# KiCad board demomatrix.kicad_pcb (continued)
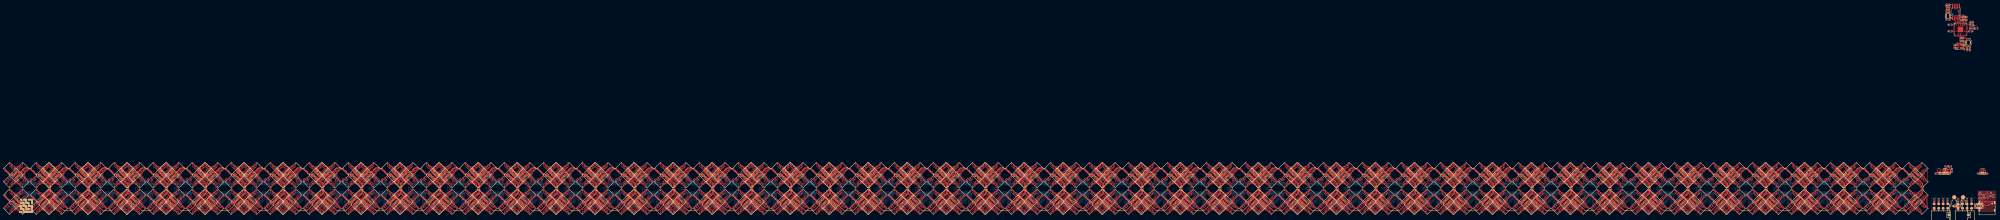
[diagram p0: board, top side]
## Routing (per net, layer and track width the routed paths; a pad name or vN(x,y) marks a point on that pad's centre or on a via; arc(x,y) is an arc through that point) (continued)
rgbs[1]-anodes-anode-767: length 1.7
  Top w0.2: LED142.8 -29.96,9.72 -31.42,9.72 LED141.7
rgbs[1]-anodes-anode-768: length 9.3
  Top w0.2: LED145.3 -26.33,26.2 -26.33,25.22 -24.84,23.74 -24.59,23.74 -24.01,24.32 -23.37,24.32 -22.79,23.74 -22.54,23.74 -21.06,25.22 -21.06,26.21 LED146.4
rgbs[1]-anodes-anode-769: length 12.6
  Top w0.2: LED146.2 -20.21,27.06 -20.21,25.49 -22.37,23.34 -22.95,23.34 -23.53,23.92 -23.84,23.92 -24.43,23.34 -25.01,23.34 -27.17,25.5 -27.17,27.06 LED145.1
rgbs[1]-anodes-anode-770: length 4
  Top w0.2: LED146.6 -22.1,25.56 -23.12,25.56 -23.56,25.12 -23.82,25.12 -24.27,25.57 -25.47,25.57 LED145.5
rgbs[1]-anodes-anode-771: length 1.7
  Top w0.2: LED146.8 -22.96,24.72 -24.42,24.72 LED145.7
rgbs[1]-anodes-anode-772: length 9.3
  Top w0.2: LED149.3 -11.33,26.2 -11.33,25.22 -9.84,23.74 -9.59,23.74 -9.01,24.32 -8.37,24.32 -7.79,23.74 -7.54,23.74 -6.06,25.22 -6.06,26.21 LED150.4
rgbs[1]-anodes-anode-773: length 12.6
  Top w0.2: LED149.1 -12.17,27.06 -12.17,25.5 -10.01,23.34 -9.43,23.34 -8.84,23.92 -8.53,23.92 -7.95,23.34 -7.37,23.34 -5.21,25.49 -5.21,27.06 LED150.2
rgbs[1]-anodes-anode-774: length 4
  Top w0.2: LED150.6 -7.1,25.56 -8.12,25.56 -8.56,25.12 -8.82,25.12 -9.27,25.57 -10.47,25.57 LED149.5
rgbs[1]-anodes-anode-775: length 1.7
  Top w0.2: LED149.7 -9.42,24.72 -7.96,24.72 LED150.8
rgbs[1]-anodes-anode-776: length 9.3
  Top w0.2: LED153.3 -26.33,11.2 -26.33,10.22 -24.84,8.74 -24.59,8.74 -24.01,9.32 -23.37,9.32 -22.79,8.74 -22.54,8.74 -21.06,10.22 -21.06,11.21 LED154.4
rgbs[1]-anodes-anode-777: length 12.6
  Top w0.2: LED154.2 -20.21,12.06 -20.21,10.49 -22.37,8.34 -22.95,8.34 -23.53,8.92 -23.84,8.92 -24.43,8.34 -25.01,8.34 -27.17,10.5 -27.17,12.06 LED153.1
rgbs[1]-anodes-anode-778: length 4
  Top w0.2: LED153.5 -25.47,10.57 -24.27,10.57 -23.82,10.12 -23.56,10.12 -23.12,10.56 -22.1,10.56 LED154.6
rgbs[1]-anodes-anode-779: length 1.7
  Top w0.2: LED154.8 -22.96,9.72 -24.42,9.72 LED153.7
rgbs[1]-anodes-anode-780: length 9.3
  Top w0.2: LED158.4 -6.06,11.21 -6.06,10.22 -7.54,8.74 -7.79,8.74 -8.37,9.32 -9.01,9.32 -9.59,8.74 -9.84,8.74 -11.33,10.22 -11.33,11.2 LED157.3
rgbs[1]-anodes-anode-781: length 12.6
  Top w0.2: LED158.2 -5.21,12.06 -5.21,10.49 -7.37,8.34 -7.95,8.34 -8.53,8.92 -8.84,8.92 -9.43,8.34 -10.01,8.34 -12.17,10.5 -12.17,12.06 LED157.1
rgbs[1]-anodes-anode-782: length 4
  Top w0.2: LED157.5 -10.47,10.57 -9.27,10.57 -8.82,10.12 -8.56,10.12 -8.12,10.56 -7.1,10.56 LED158.6
rgbs[1]-anodes-anode-783: length 1.7
  Top w0.2: LED158.8 -7.96,9.72 -9.42,9.72 LED157.7
rgbs[2]-anodes-anode-0: length 9.5
  Top w0.2: LED2.3 -1074.07,23.22 -1074.42,23.22 -1074.43,23.22 -1075.07,23.22 -1076.55,21.75 -1076.55,21.5 -1075.87,20.82 -1075.87,20.36 -1076.55,19.69 -1076.55,19.44 -1074.88,17.77 -1074.26,17.77 LED3.4
rgbs[2]-anodes-anode-1: length 12.3
  Top w0.2: LED2.1 -1073.23,24.08 -1074.78,24.08 -1076.95,21.91 -1076.95,21.33 -1076.27,20.66 -1076.27,20.53 -1076.95,19.86 -1076.95,19.28 -1074.79,17.12 -1073.51,17.12
rgbs[2]-anodes-anode-2: length 3.7
  Top w0.2: LED3.6 -1074.72,19.02 -1074.72,20.02 -1075.07,20.37 -1075.07,20.81 -1074.72,21.16 -1074.72,22.18 LED2.5
rgbs[2]-anodes-anode-3: length 1.8
  Top w0.2: LED2.7 -1075.47,21.23 -1075.47,19.96 LED3.8
rgbs[2]-anodes-anode-4: length 9.5
  Top w0.2: LED6.3 -1059.07,23.22 -1059.42,23.22 -1059.43,23.22 -1060.07,23.22 -1061.55,21.75 -1061.55,21.5 -1060.87,20.82 -1060.87,20.36 -1061.55,19.69 -1061.55,19.44 -1059.88,17.77 -1059.26,17.77 LED7.4
rgbs[2]-anodes-anode-5: length 19.4
  Top w0.2: -1058.51,17.12 -1059.79,17.12 -1061.95,19.28 -1061.95,19.86 -1061.27,20.53 -1061.27,20.66 -1061.95,21.33 -1061.95,21.91 -1059.78,24.08 -1058.23,24.08 LED6.1 -1057.73,23.58 -1057.73,17.61 LED7.2
rgbs[2]-anodes-anode-6: length 3.7
  Top w0.2: LED6.5 -1059.72,22.18 -1059.72,21.16 -1060.07,20.81 -1060.07,20.37 -1059.72,20.02 -1059.72,19.02 LED7.6
rgbs[2]-anodes-anode-7: length 1.8
  Top w0.2: LED7.8 -1060.47,19.96 -1060.47,21.23 LED6.7
rgbs[2]-anodes-anode-8: length 9.5
  Top w0.2: LED11.4 -1074.26,2.77 -1074.88,2.77 -1076.55,4.44 -1076.55,4.69 -1075.87,5.36 -1075.87,5.82 -1076.55,6.5 -1076.55,6.75 -1075.07,8.22 -1074.43,8.22 -1074.42,8.22 -1074.07,8.22 LED10.3
rgbs[2]-anodes-anode-9: length 12.3
  Top w0.2: -1073.51,2.12 -1074.79,2.12 -1076.95,4.28 -1076.95,4.86 -1076.27,5.53 -1076.27,5.66 -1076.95,6.33 -1076.95,6.91 -1074.78,9.08 -1073.23,9.08 LED10.1
rgbs[2]-anodes-anode-10: length 3.7
  Top w0.2: LED11.6 -1074.72,4.02 -1074.72,5.02 -1075.07,5.37 -1075.07,5.81 -1074.72,6.16 -1074.72,7.18 LED10.5
rgbs[2]-anodes-anode-11: length 1.8
  Top w0.2: LED10.7 -1075.47,6.23 -1075.47,4.96 LED11.8
rgbs[2]-anodes-anode-12: length 14.9
  Top w0.2: -1061.55,4.69 -1060.87,5.36 -1060.87,5.82 -1061.55,6.5 -1061.55,6.75 -1060.07,8.22 -1059.43,8.22 -1059.42,8.22 -1059.07,8.22 LED14.3 -1058.58,7.73 -1058.58,3.46 LED15.4 -1059.26,2.77 -1059.88,2.77 -1061.55,4.44 -1061.55,4.69
rgbs[2]-anodes-anode-13: length 19.4
  Top w0.2: LED15.2 -1057.73,2.61 -1057.73,8.58 LED14.1 -1058.23,9.08 -1059.78,9.08 -1061.95,6.91 -1061.95,6.33 -1061.27,5.66 -1061.27,5.53 -1061.95,4.86 -1061.95,4.28 -1059.79,2.12 -1058.51,2.12
rgbs[2]-anodes-anode-14: length 3.7
  Top w0.2: LED14.5 -1059.72,7.18 -1059.72,6.16 -1060.07,5.81 -1060.07,5.37 -1059.72,5.02 -1059.72,4.02 LED15.6
rgbs[2]-anodes-anode-15: length 1.8
  Top w0.2: LED15.8 -1060.47,4.96 -1060.47,6.23 LED14.7
rgbs[2]-anodes-anode-16: length 9.5
  Top w0.2: LED162.3 -1052.07,23.22 -1052.42,23.22 -1052.43,23.22 -1053.07,23.22 -1054.55,21.75 -1054.55,21.5 -1053.87,20.82 -1053.87,20.36 -1054.55,19.69 -1054.55,19.44 -1052.88,17.77 -1052.26,17.77 LED163.4
rgbs[2]-anodes-anode-17: length 12.3
  Top w0.2: LED162.1 -1051.23,24.08 -1052.78,24.08 -1054.95,21.91 -1054.95,21.33 -1054.27,20.66 -1054.27,20.53 -1054.95,19.86 -1054.95,19.28 -1052.79,17.12 -1051.51,17.12
rgbs[2]-anodes-anode-18: length 3.7
  Top w0.2: LED162.5 -1052.72,22.18 -1052.72,21.16 -1053.07,20.81 -1053.07,20.37 -1052.72,20.02 -1052.72,19.02 LED163.6
rgbs[2]-anodes-anode-19: length 1.8
  Top w0.2: LED163.8 -1053.47,19.96 -1053.47,21.23 LED162.7
rgbs[2]-anodes-anode-20: length 9.5
  Top w0.2: LED167.4 -1037.26,17.77 -1037.88,17.77 -1039.55,19.44 -1039.55,19.69 -1038.87,20.36 -1038.87,20.82 -1039.55,21.5 -1039.55,21.75 -1038.07,23.22 -1037.43,23.22 -1037.42,23.22 -1037.07,23.22 LED166.3
rgbs[2]-anodes-anode-21: length 19.4
  Top w0.2: LED167.2 -1035.73,17.61 -1035.73,23.58 LED166.1 -1036.23,24.08 -1037.78,24.08 -1039.95,21.91 -1039.95,21.33 -1039.27,20.66 -1039.27,20.53 -1039.95,19.86 -1039.95,19.28 -1037.79,17.12 -1036.51,17.12
rgbs[2]-anodes-anode-22: length 3.7
  Top w0.2: LED166.5 -1037.72,22.18 -1037.72,21.16 -1038.07,20.81 -1038.07,20.37 -1037.72,20.02 -1037.72,19.02 LED167.6
rgbs[2]-anodes-anode-23: length 1.8
  Top w0.2: LED167.8 -1038.47,19.96 -1038.47,21.23 LED166.7
rgbs[2]-anodes-anode-24: length 9.5
  Top w0.2: LED170.3 -1052.07,8.22 -1052.42,8.22 -1052.43,8.22 -1053.07,8.22 -1054.55,6.75 -1054.55,6.5 -1053.87,5.82 -1053.87,5.36 -1054.55,4.69 -1054.55,4.44 -1052.88,2.77 -1052.26,2.77 LED171.4
rgbs[2]-anodes-anode-25: length 12.3
  Top w0.2: LED170.1 -1051.23,9.08 -1052.78,9.08 -1054.95,6.91 -1054.95,6.33 -1054.27,5.66 -1054.27,5.53 -1054.95,4.86 -1054.95,4.28 -1052.79,2.12 -1051.51,2.12
rgbs[2]-anodes-anode-26: length 3.7
  Top w0.2: LED170.5 -1052.72,7.18 -1052.72,6.16 -1053.07,5.81 -1053.07,5.37 -1052.72,5.02 -1052.72,4.02 LED171.6
rgbs[2]-anodes-anode-27: length 1.8
  Top w0.2: LED170.7 -1053.47,6.23 -1053.47,4.96 LED171.8
rgbs[2]-anodes-anode-28: length 14.9
  Top w0.2: -1038.87,5.36 -1038.87,5.82 -1039.55,6.5 -1039.55,6.75 -1038.07,8.22 -1037.43,8.22 -1037.42,8.22 -1037.07,8.22 LED174.3 -1036.58,7.73 -1036.58,3.46 LED175.4 -1037.26,2.77 -1037.88,2.77 -1039.55,4.44 -1039.55,4.69 -1038.87,5.36
rgbs[2]-anodes-anode-29: length 19.4
  Top w0.2: LED175.2 -1035.73,2.61 -1035.73,8.58 LED174.1 -1036.23,9.08 -1037.78,9.08 -1039.95,6.91 -1039.95,6.33 -1039.27,5.66 -1039.27,5.53 -1039.95,4.86 -1039.95,4.28 -1037.79,2.12 -1036.51,2.12
rgbs[2]-anodes-anode-30: length 3.7
  Top w0.2: LED175.6 -1037.72,4.02 -1037.72,5.02 -1038.07,5.37 -1038.07,5.81 -1037.72,6.16 -1037.72,7.18 LED174.5
rgbs[2]-anodes-anode-31: length 1.8
  Top w0.2: LED175.8 -1038.47,4.96 -1038.47,6.23 LED174.7
rgbs[2]-anodes-anode-32: length 9.5
  Top w0.2: LED178.3 -1030.07,23.22 -1030.42,23.22 -1030.43,23.22 -1031.07,23.22 -1032.55,21.75 -1032.55,21.5 -1031.87,20.82 -1031.87,20.36 -1032.55,19.69 -1032.55,19.44 -1030.88,17.77 -1030.26,17.77 LED179.4
rgbs[2]-anodes-anode-33: length 12.3
  Top w0.2: LED178.1 -1029.23,24.08 -1030.78,24.08 -1032.95,21.91 -1032.95,21.33 -1032.27,20.66 -1032.27,20.53 -1032.95,19.86 -1032.95,19.28 -1030.79,17.12 -1029.51,17.12
rgbs[2]-anodes-anode-34: length 3.7
  Top w0.2: LED179.6 -1030.72,19.02 -1030.72,20.02 -1031.07,20.37 -1031.07,20.81 -1030.72,21.16 -1030.72,22.18 LED178.5
rgbs[2]-anodes-anode-35: length 1.8
  Top w0.2: LED178.7 -1031.47,21.23 -1031.47,19.96 LED179.8
rgbs[2]-anodes-anode-36: length 9.5
  Top w0.2: LED182.3 -1015.07,23.22 -1015.42,23.22 -1015.43,23.22 -1016.07,23.22 -1017.55,21.75 -1017.55,21.5 -1016.87,20.82 -1016.87,20.36 -1017.55,19.69 -1017.55,19.44 -1015.88,17.77 -1015.26,17.77 LED183.4
rgbs[2]-anodes-anode-37: length 19.4
  Top w0.2: LED183.2 -1013.73,17.61 -1013.73,23.58 LED182.1 -1014.23,24.08 -1015.78,24.08 -1017.95,21.91 -1017.95,21.33 -1017.27,20.66 -1017.27,20.53 -1017.95,19.86 -1017.95,19.28 -1015.79,17.12 -1014.51,17.12
rgbs[2]-anodes-anode-38: length 3.7
  Top w0.2: LED183.6 -1015.72,19.02 -1015.72,20.02 -1016.07,20.37 -1016.07,20.81 -1015.72,21.16 -1015.72,22.18 LED182.5
rgbs[2]-anodes-anode-39: length 1.8
  Top w0.2: LED183.8 -1016.47,19.96 -1016.47,21.23 LED182.7
rgbs[2]-anodes-anode-40: length 9.5
  Top w0.2: LED186.3 -1030.07,8.22 -1030.42,8.22 -1030.43,8.22 -1031.07,8.22 -1032.55,6.75 -1032.55,6.5 -1031.87,5.82 -1031.87,5.36 -1032.55,4.69 -1032.55,4.44 -1030.88,2.77 -1030.26,2.77 LED187.4
rgbs[2]-anodes-anode-41: length 12.3
  Top w0.2: -1029.51,2.12 -1030.79,2.12 -1032.95,4.28 -1032.95,4.86 -1032.27,5.53 -1032.27,5.66 -1032.95,6.33 -1032.95,6.91 -1030.78,9.08 -1029.23,9.08 LED186.1
rgbs[2]-anodes-anode-42: length 3.7
  Top w0.2: LED186.5 -1030.72,7.18 -1030.72,6.16 -1031.07,5.81 -1031.07,5.37 -1030.72,5.02 -1030.72,4.02 LED187.6
rgbs[2]-anodes-anode-43: length 1.8
  Top w0.2: LED186.7 -1031.47,6.23 -1031.47,4.96 LED187.8
rgbs[2]-anodes-anode-44: length 14.9
  Top w0.2: LED190.3 -1014.58,7.73 -1014.58,3.46 LED191.4 -1015.26,2.77 -1015.88,2.77 -1017.55,4.44 -1017.55,4.69 -1016.87,5.36 -1016.87,5.82 -1017.55,6.5 -1017.55,6.75 -1016.07,8.22 -1015.43,8.22 -1015.42,8.22 -1015.07,8.22 LED190.3
rgbs[2]-anodes-anode-45: length 19.4
  Top w0.2: LED191.2 -1013.73,2.61 -1013.73,8.58 LED190.1 -1014.23,9.08 -1015.78,9.08 -1017.95,6.91 -1017.95,6.33 -1017.27,5.66 -1017.27,5.53 -1017.95,4.86 -1017.95,4.28 -1015.79,2.12 -1014.51,2.12
rgbs[2]-anodes-anode-46: length 3.7
  Top w0.2: LED190.5 -1015.72,7.18 -1015.72,6.16 -1016.07,5.81 -1016.07,5.37 -1015.72,5.02 -1015.72,4.02 LED191.6
rgbs[2]-anodes-anode-47: length 1.8
  Top w0.2: LED191.8 -1016.47,4.96 -1016.47,6.23 LED190.7
rgbs[2]-anodes-anode-48: length 9.5
  Top w0.2: LED195.4 -1008.26,17.77 -1008.88,17.77 -1010.55,19.44 -1010.55,19.69 -1009.87,20.36 -1009.87,20.82 -1010.55,21.5 -1010.55,21.75 -1009.07,23.22 -1008.43,23.22 -1008.42,23.22 -1008.07,23.22 LED194.3
rgbs[2]-anodes-anode-49: length 12.3
  Top w0.2: -1007.51,17.12 -1008.79,17.12 -1010.95,19.28 -1010.95,19.86 -1010.27,20.53 -1010.27,20.66 -1010.95,21.33 -1010.95,21.91 -1008.78,24.08 -1007.23,24.08 LED194.1
rgbs[2]-anodes-anode-50: length 3.7
  Top w0.2: LED195.6 -1008.72,19.02 -1008.72,20.02 -1009.07,20.37 -1009.07,20.81 -1008.72,21.16 -1008.72,22.18 LED194.5
rgbs[2]-anodes-anode-51: length 1.8
  Top w0.2: LED195.8 -1009.47,19.96 -1009.47,21.23 LED194.7
rgbs[2]-anodes-anode-52: length 9.5
  Top w0.2: LED198.3 -993.07,23.22 -993.42,23.22 -993.43,23.22 -994.07,23.22 -995.55,21.75 -995.55,21.5 -994.87,20.82 -994.87,20.36 -995.55,19.69 -995.55,19.44 -993.88,17.77 -993.26,17.77 LED199.4
rgbs[2]-anodes-anode-53: length 19.4
  Top w0.2: LED199.2 -991.73,17.61 -991.73,23.58 LED198.1 -992.23,24.08 -993.78,24.08 -995.95,21.91 -995.95,21.33 -995.27,20.66 -995.27,20.53 -995.95,19.86 -995.95,19.28 -993.79,17.12 -992.51,17.12
rgbs[2]-anodes-anode-54: length 3.7
  Top w0.2: LED199.6 -993.72,19.02 -993.72,20.02 -994.07,20.37 -994.07,20.81 -993.72,21.16 -993.72,22.18 LED198.5
rgbs[2]-anodes-anode-55: length 1.8
  Top w0.2: LED199.8 -994.47,19.96 -994.47,21.23 LED198.7
rgbs[2]-anodes-anode-56: length 9.5
  Top w0.2: LED203.4 -1008.26,2.77 -1008.88,2.77 -1010.55,4.44 -1010.55,4.69 -1009.87,5.36 -1009.87,5.82 -1010.55,6.5 -1010.55,6.75 -1009.07,8.22 -1008.43,8.22 -1008.42,8.22 -1008.07,8.22 LED202.3
rgbs[2]-anodes-anode-57: length 12.3
  Top w0.2: LED202.1 -1007.23,9.08 -1008.78,9.08 -1010.95,6.91 -1010.95,6.33 -1010.27,5.66 -1010.27,5.53 -1010.95,4.86 -1010.95,4.28 -1008.79,2.12 -1007.51,2.12
rgbs[2]-anodes-anode-58: length 3.7
  Top w0.2: LED202.5 -1008.72,7.18 -1008.72,6.16 -1009.07,5.81 -1009.07,5.37 -1008.72,5.02 -1008.72,4.02 LED203.6
rgbs[2]-anodes-anode-59: length 1.8
  Top w0.2: LED203.8 -1009.47,4.96 -1009.47,6.23 LED202.7
rgbs[2]-anodes-anode-60: length 14.9
  Top w0.2: LED207.4 -993.26,2.77 -993.88,2.77 -995.55,4.44 -995.55,4.69 -994.87,5.36 -994.87,5.82 -995.55,6.5 -995.55,6.75 -994.07,8.22 -993.43,8.22 -993.42,8.22 -993.07,8.22 LED206.3 -992.58,7.73 -992.58,3.46 LED207.4
rgbs[2]-anodes-anode-61: length 19.4
  Top w0.2: -992.51,2.12 -993.79,2.12 -995.95,4.28 -995.95,4.86 -995.27,5.53 -995.27,5.66 -995.95,6.33 -995.95,6.91 -993.78,9.08 -992.23,9.08 LED206.1 -991.73,8.58 -991.73,2.61 LED207.2
rgbs[2]-anodes-anode-62: length 3.7
  Top w0.2: LED207.6 -993.72,4.02 -993.72,5.02 -994.07,5.37 -994.07,5.81 -993.72,6.16 -993.72,7.18 LED206.5
rgbs[2]-anodes-anode-63: length 1.8
  Top w0.2: LED206.7 -994.47,6.23 -994.47,4.96 LED207.8
rgbs[2]-anodes-anode-64: length 9.5
  Top w0.2: LED210.3 -986.07,23.22 -986.42,23.22 -986.43,23.22 -987.07,23.22 -988.55,21.75 -988.55,21.5 -987.87,20.82 -987.87,20.36 -988.55,19.69 -988.55,19.44 -986.88,17.77 -986.26,17.77 LED211.4
rgbs[2]-anodes-anode-65: length 12.3
  Top w0.2: LED210.1 -985.23,24.08 -986.78,24.08 -988.95,21.91 -988.95,21.33 -988.27,20.66 -988.27,20.53 -988.95,19.86 -988.95,19.28 -986.79,17.12 -985.51,17.12
rgbs[2]-anodes-anode-66: length 3.7
  Top w0.2: LED211.6 -986.72,19.02 -986.72,20.02 -987.07,20.37 -987.07,20.81 -986.72,21.16 -986.72,22.18 LED210.5
rgbs[2]-anodes-anode-67: length 1.8
  Top w0.2: LED210.7 -987.47,21.23 -987.47,19.96 LED211.8
rgbs[2]-anodes-anode-68: length 9.5
  Top w0.2: LED215.4 -971.26,17.77 -971.88,17.77 -973.55,19.44 -973.55,19.69 -972.87,20.36 -972.87,20.82 -973.55,21.5 -973.55,21.75 -972.07,23.22 -971.43,23.22 -971.42,23.22 -971.07,23.22 LED214.3
rgbs[2]-anodes-anode-69: length 19.4
  Top w0.2: LED215.2 -969.73,17.61 -969.73,23.58 LED214.1 -970.23,24.08 -971.78,24.08 -973.95,21.91 -973.95,21.33 -973.27,20.66 -973.27,20.53 -973.95,19.86 -973.95,19.28 -971.79,17.12 -970.51,17.12
rgbs[2]-anodes-anode-70: length 3.7
  Top w0.2: LED214.5 -971.72,22.18 -971.72,21.16 -972.07,20.81 -972.07,20.37 -971.72,20.02 -971.72,19.02 LED215.6
rgbs[2]-anodes-anode-71: length 1.8
  Top w0.2: LED214.7 -972.47,21.23 -972.47,19.96 LED215.8
rgbs[2]-anodes-anode-72: length 9.5
  Top w0.2: LED218.3 -986.07,8.22 -986.42,8.22 -986.43,8.22 -987.07,8.22 -988.55,6.75 -988.55,6.5 -987.87,5.82 -987.87,5.36 -988.55,4.69 -988.55,4.44 -986.88,2.77 -986.26,2.77 LED219.4
rgbs[2]-anodes-anode-73: length 12.3
  Top w0.2: LED218.1 -985.23,9.08 -986.78,9.08 -988.95,6.91 -988.95,6.33 -988.27,5.66 -988.27,5.53 -988.95,4.86 -988.95,4.28 -986.79,2.12 -985.51,2.12
rgbs[2]-anodes-anode-74: length 3.7
  Top w0.2: LED219.6 -986.72,4.02 -986.72,5.02 -987.07,5.37 -987.07,5.81 -986.72,6.16 -986.72,7.18 LED218.5
rgbs[2]-anodes-anode-75: length 1.8
  Top w0.2: LED218.7 -987.47,6.23 -987.47,4.96 LED219.8
rgbs[2]-anodes-anode-76: length 14.9
  Top w0.2: -971.07,8.22 LED222.3 -970.58,7.73 -970.58,3.46 LED223.4 -971.26,2.77 -971.88,2.77 -973.55,4.44 -973.55,4.69 -972.87,5.36 -972.87,5.82 -973.55,6.5 -973.55,6.75 -972.07,8.22 -971.43,8.22 -971.42,8.22 -971.07,8.22
rgbs[2]-anodes-anode-77: length 19.4
  Top w0.2: LED223.2 -969.73,2.61 -969.73,8.58 LED222.1 -970.23,9.08 -971.78,9.08 -973.95,6.91 -973.95,6.33 -973.27,5.66 -973.27,5.53 -973.95,4.86 -973.95,4.28 -971.79,2.12 -970.51,2.12
rgbs[2]-anodes-anode-78: length 3.7
  Top w0.2: LED222.5 -971.72,7.18 -971.72,6.16 -972.07,5.81 -972.07,5.37 -971.72,5.02 -971.72,4.02 LED223.6
rgbs[2]-anodes-anode-79: length 1.8
  Top w0.2: LED222.7 -972.47,6.23 -972.47,4.96 LED223.8
rgbs[2]-anodes-anode-80: length 9.5
  Top w0.2: LED227.4 -964.26,17.77 -964.88,17.77 -966.55,19.44 -966.55,19.69 -965.87,20.36 -965.87,20.82 -966.55,21.5 -966.55,21.75 -965.07,23.22 -964.43,23.22 -964.42,23.22 -964.07,23.22 LED226.3
rgbs[2]-anodes-anode-81: length 12.3
  Top w0.2: -963.51,17.12 -964.79,17.12 -966.95,19.28 -966.95,19.86 -966.27,20.53 -966.27,20.66 -966.95,21.33 -966.95,21.91 -964.78,24.08 -963.23,24.08 LED226.1
rgbs[2]-anodes-anode-82: length 3.7
  Top w0.2: LED227.6 -964.72,19.02 -964.72,20.02 -965.07,20.37 -965.07,20.81 -964.72,21.16 -964.72,22.18 LED226.5
rgbs[2]-anodes-anode-83: length 1.8
  Top w0.2: LED227.8 -965.47,19.96 -965.47,21.23 LED226.7
rgbs[2]-anodes-anode-84: length 9.5
  Top w0.2: LED231.4 -949.26,17.77 -949.88,17.77 -951.55,19.44 -951.55,19.69 -950.87,20.36 -950.87,20.82 -951.55,21.5 -951.55,21.75 -950.07,23.22 -949.43,23.22 -949.42,23.22 -949.07,23.22 LED230.3
rgbs[2]-anodes-anode-85: length 19.4
  Top w0.2: LED231.2 -947.73,17.61 -947.73,23.58 LED230.1 -948.23,24.08 -949.78,24.08 -951.95,21.91 -951.95,21.33 -951.27,20.66 -951.27,20.53 -951.95,19.86 -951.95,19.28 -949.79,17.12 -948.51,17.12
rgbs[2]-anodes-anode-86: length 3.7
  Top w0.2: LED231.6 -949.72,19.02 -949.72,20.02 -950.07,20.37 -950.07,20.81 -949.72,21.16 -949.72,22.18 LED230.5
rgbs[2]-anodes-anode-87: length 1.8
  Top w0.2: LED231.8 -950.47,19.96 -950.47,21.23 LED230.7
rgbs[2]-anodes-anode-88: length 9.5
  Top w0.2: LED234.3 -964.07,8.22 -964.42,8.22 -964.43,8.22 -965.07,8.22 -966.55,6.75 -966.55,6.5 -965.87,5.82 -965.87,5.36 -966.55,4.69 -966.55,4.44 -964.88,2.77 -964.26,2.77 LED235.4
rgbs[2]-anodes-anode-89: length 12.3
  Top w0.2: LED234.1 -963.23,9.08 -964.78,9.08 -966.95,6.91 -966.95,6.33 -966.27,5.66 -966.27,5.53 -966.95,4.86 -966.95,4.28 -964.79,2.12 -963.51,2.12
rgbs[2]-anodes-anode-90: length 3.7
  Top w0.2: LED235.6 -964.72,4.02 -964.72,5.02 -965.07,5.37 -965.07,5.81 -964.72,6.16 -964.72,7.18 LED234.5
rgbs[2]-anodes-anode-91: length 1.8
  Top w0.2: LED235.8 -965.47,4.96 -965.47,6.23 LED234.7
rgbs[2]-anodes-anode-92: length 14.9
  Top w0.2: LED238.3 -948.58,7.73 -948.58,3.46 LED239.4 -949.26,2.77 -949.88,2.77 -951.55,4.44 -951.55,4.69 -950.87,5.36 -950.87,5.82 -951.55,6.5 -951.55,6.75 -950.07,8.22 -949.43,8.22 -949.42,8.22 -949.07,8.22 LED238.3
rgbs[2]-anodes-anode-93: length 19.4
  Top w0.2: LED239.2 -947.73,2.61 -947.73,8.58 LED238.1 -948.23,9.08 -949.78,9.08 -951.95,6.91 -951.95,6.33 -951.27,5.66 -951.27,5.53 -951.95,4.86 -951.95,4.28 -949.79,2.12 -948.51,2.12
rgbs[2]-anodes-anode-94: length 3.7
  Top w0.2: LED239.6 -949.72,4.02 -949.72,5.02 -950.07,5.37 -950.07,5.81 -949.72,6.16 -949.72,7.18 LED238.5
rgbs[2]-anodes-anode-95: length 1.8
  Top w0.2: LED238.7 -950.47,6.23 -950.47,4.96 LED239.8
rgbs[2]-anodes-anode-96: length 9.5
  Top w0.2: LED243.4 -942.26,17.77 -942.88,17.77 -944.55,19.44 -944.55,19.69 -943.87,20.36 -943.87,20.82 -944.55,21.5 -944.55,21.75 -943.07,23.22 -942.43,23.22 -942.42,23.22 -942.07,23.22 LED242.3
rgbs[2]-anodes-anode-97: length 12.3
  Top w0.2: LED242.1 -941.23,24.08 -942.78,24.08 -944.95,21.91 -944.95,21.33 -944.27,20.66 -944.27,20.53 -944.95,19.86 -944.95,19.28 -942.79,17.12 -941.51,17.12
rgbs[2]-anodes-anode-98: length 3.7
  Top w0.2: LED243.6 -942.72,19.02 -942.72,20.02 -943.07,20.37 -943.07,20.81 -942.72,21.16 -942.72,22.18 LED242.5
rgbs[2]-anodes-anode-99: length 1.8
  Top w0.2: LED242.7 -943.47,21.23 -943.47,19.96 LED243.8
rgbs[2]-anodes-anode-100: length 9.5
  Top w0.2: LED247.4 -927.26,17.77 -927.88,17.77 -929.55,19.44 -929.55,19.69 -928.87,20.36 -928.87,20.82 -929.55,21.5 -929.55,21.75 -928.07,23.22 -927.43,23.22 -927.42,23.22 -927.07,23.22 LED246.3
rgbs[2]-anodes-anode-101: length 19.4
  Top w0.2: -926.51,17.12 -927.79,17.12 -929.95,19.28 -929.95,19.86 -929.27,20.53 -929.27,20.66 -929.95,21.33 -929.95,21.91 -927.78,24.08 -926.23,24.08 LED246.1 -925.73,23.58 -925.73,17.61 LED247.2
rgbs[2]-anodes-anode-102: length 3.7
  Top w0.2: LED246.5 -927.72,22.18 -927.72,21.16 -928.07,20.81 -928.07,20.37 -927.72,20.02 -927.72,19.02 LED247.6
rgbs[2]-anodes-anode-103: length 1.8
  Top w0.2: LED247.8 -928.47,19.96 -928.47,21.23 LED246.7
rgbs[2]-anodes-anode-104: length 9.5
  Top w0.2: LED251.4 -942.26,2.77 -942.88,2.77 -944.55,4.44 -944.55,4.69 -943.87,5.36 -943.87,5.82 -944.55,6.5 -944.55,6.75 -943.07,8.22 -942.43,8.22 -942.42,8.22 -942.07,8.22 LED250.3
rgbs[2]-anodes-anode-105: length 12.3
  Top w0.2: -941.51,2.12 -942.79,2.12 -944.95,4.28 -944.95,4.86 -944.27,5.53 -944.27,5.66 -944.95,6.33 -944.95,6.91 -942.78,9.08 -941.23,9.08 LED250.1
rgbs[2]-anodes-anode-106: length 3.7
  Top w0.2: LED250.5 -942.72,7.18 -942.72,6.16 -943.07,5.81 -943.07,5.37 -942.72,5.02 -942.72,4.02 LED251.6
rgbs[2]-anodes-anode-107: length 1.8
  Top w0.2: LED251.8 -943.47,4.96 -943.47,6.23 LED250.7
rgbs[2]-anodes-anode-108: length 14.9
  Top w0.2: LED255.4 -927.26,2.77 -927.88,2.77 -929.55,4.44 -929.55,4.69 -928.87,5.36 -928.87,5.82 -929.55,6.5 -929.55,6.75 -928.07,8.22 -927.43,8.22 -927.42,8.22 -927.07,8.22 LED254.3 -926.58,7.73 -926.58,3.46 LED255.4
rgbs[2]-anodes-anode-109: length 19.4
  Top w0.2: -926.51,2.12 -927.79,2.12 -929.95,4.28 -929.95,4.86 -929.27,5.53 -929.27,5.66 -929.95,6.33 -929.95,6.91 -927.78,9.08 -926.23,9.08 LED254.1 -925.73,8.58 -925.73,2.61 LED255.2
rgbs[2]-anodes-anode-110: length 3.7
  Top w0.2: LED254.5 -927.72,7.18 -927.72,6.16 -928.07,5.81 -928.07,5.37 -927.72,5.02 -927.72,4.02 LED255.6
rgbs[2]-anodes-anode-111: length 1.8
  Top w0.2: LED255.8 -928.47,4.96 -928.47,6.23 LED254.7
rgbs[2]-anodes-anode-112: length 9.5
  Top w0.2: LED259.4 -920.26,17.77 -920.88,17.77 -922.55,19.44 -922.55,19.69 -921.87,20.36 -921.87,20.82 -922.55,21.5 -922.55,21.75 -921.07,23.22 -920.43,23.22 -920.42,23.22 -920.07,23.22 LED258.3
rgbs[2]-anodes-anode-113: length 12.3
  Top w0.2: -919.51,17.12 -920.79,17.12 -922.95,19.28 -922.95,19.86 -922.27,20.53 -922.27,20.66 -922.95,21.33 -922.95,21.91 -920.78,24.08 -919.23,24.08 LED258.1
rgbs[2]-anodes-anode-114: length 3.7
  Top w0.2: LED259.6 -920.72,19.02 -920.72,20.02 -921.07,20.37 -921.07,20.81 -920.72,21.16 -920.72,22.18 LED258.5
rgbs[2]-anodes-anode-115: length 1.8
  Top w0.2: LED259.8 -921.47,19.96 -921.47,21.23 LED258.7
rgbs[2]-anodes-anode-116: length 9.5
  Top w0.2: LED262.3 -905.07,23.22 -905.42,23.22 -905.43,23.22 -906.07,23.22 -907.55,21.75 -907.55,21.5 -906.87,20.82 -906.87,20.36 -907.55,19.69 -907.55,19.44 -905.88,17.77 -905.26,17.77 LED263.4
rgbs[2]-anodes-anode-117: length 19.4
  Top w0.2: LED263.2 -903.73,17.61 -903.73,23.58 LED262.1 -904.23,24.08 -905.78,24.08 -907.95,21.91 -907.95,21.33 -907.27,20.66 -907.27,20.53 -907.95,19.86 -907.95,19.28 -905.79,17.12 -904.51,17.12
rgbs[2]-anodes-anode-118: length 3.7
  Top w0.2: LED263.6 -905.72,19.02 -905.72,20.02 -906.07,20.37 -906.07,20.81 -905.72,21.16 -905.72,22.18 LED262.5
rgbs[2]-anodes-anode-119: length 1.8
  Top w0.2: LED262.7 -906.47,21.23 -906.47,19.96 LED263.8
rgbs[2]-anodes-anode-120: length 9.5
  Top w0.2: LED267.4 -920.26,2.77 -920.88,2.77 -922.55,4.44 -922.55,4.69 -921.87,5.36 -921.87,5.82 -922.55,6.5 -922.55,6.75 -921.07,8.22 -920.43,8.22 -920.42,8.22 -920.07,8.22 LED266.3
rgbs[2]-anodes-anode-121: length 12.3
  Top w0.2: -919.51,2.12 -920.79,2.12 -922.95,4.28 -922.95,4.86 -922.27,5.53 -922.27,5.66 -922.95,6.33 -922.95,6.91 -920.78,9.08 -919.23,9.08 LED266.1
rgbs[2]-anodes-anode-122: length 3.7
  Top w0.2: LED266.5 -920.72,7.18 -920.72,6.16 -921.07,5.81 -921.07,5.37 -920.72,5.02 -920.72,4.02 LED267.6
rgbs[2]-anodes-anode-123: length 1.8
  Top w0.2: LED266.7 -921.47,6.23 -921.47,4.96 LED267.8
rgbs[2]-anodes-anode-124: length 14.9
  Top w0.2: -907.55,6.5 -907.55,6.75 -906.07,8.22 -905.43,8.22 -905.42,8.22 -905.07,8.22 LED270.3 -904.58,7.73 -904.58,3.46 LED271.4 -905.26,2.77 -905.88,2.77 -907.55,4.44 -907.55,4.69 -906.87,5.36 -906.87,5.82 -907.55,6.5
rgbs[2]-anodes-anode-125: length 19.4
  Top w0.2: -904.51,2.12 -905.79,2.12 -907.95,4.28 -907.95,4.86 -907.27,5.53 -907.27,5.66 -907.95,6.33 -907.95,6.91 -905.78,9.08 -904.23,9.08 LED270.1 -903.73,8.58 -903.73,2.61 LED271.2
rgbs[2]-anodes-anode-126: length 3.7
  Top w0.2: LED270.5 -905.72,7.18 -905.72,6.16 -906.07,5.81 -906.07,5.37 -905.72,5.02 -905.72,4.02 LED271.6
rgbs[2]-anodes-anode-127: length 1.8
  Top w0.2: LED270.7 -906.47,6.23 -906.47,4.96 LED271.8
